# Altium PCB Thunderscope_Rev4.PCBDOC (part 6 of 7) (continued)
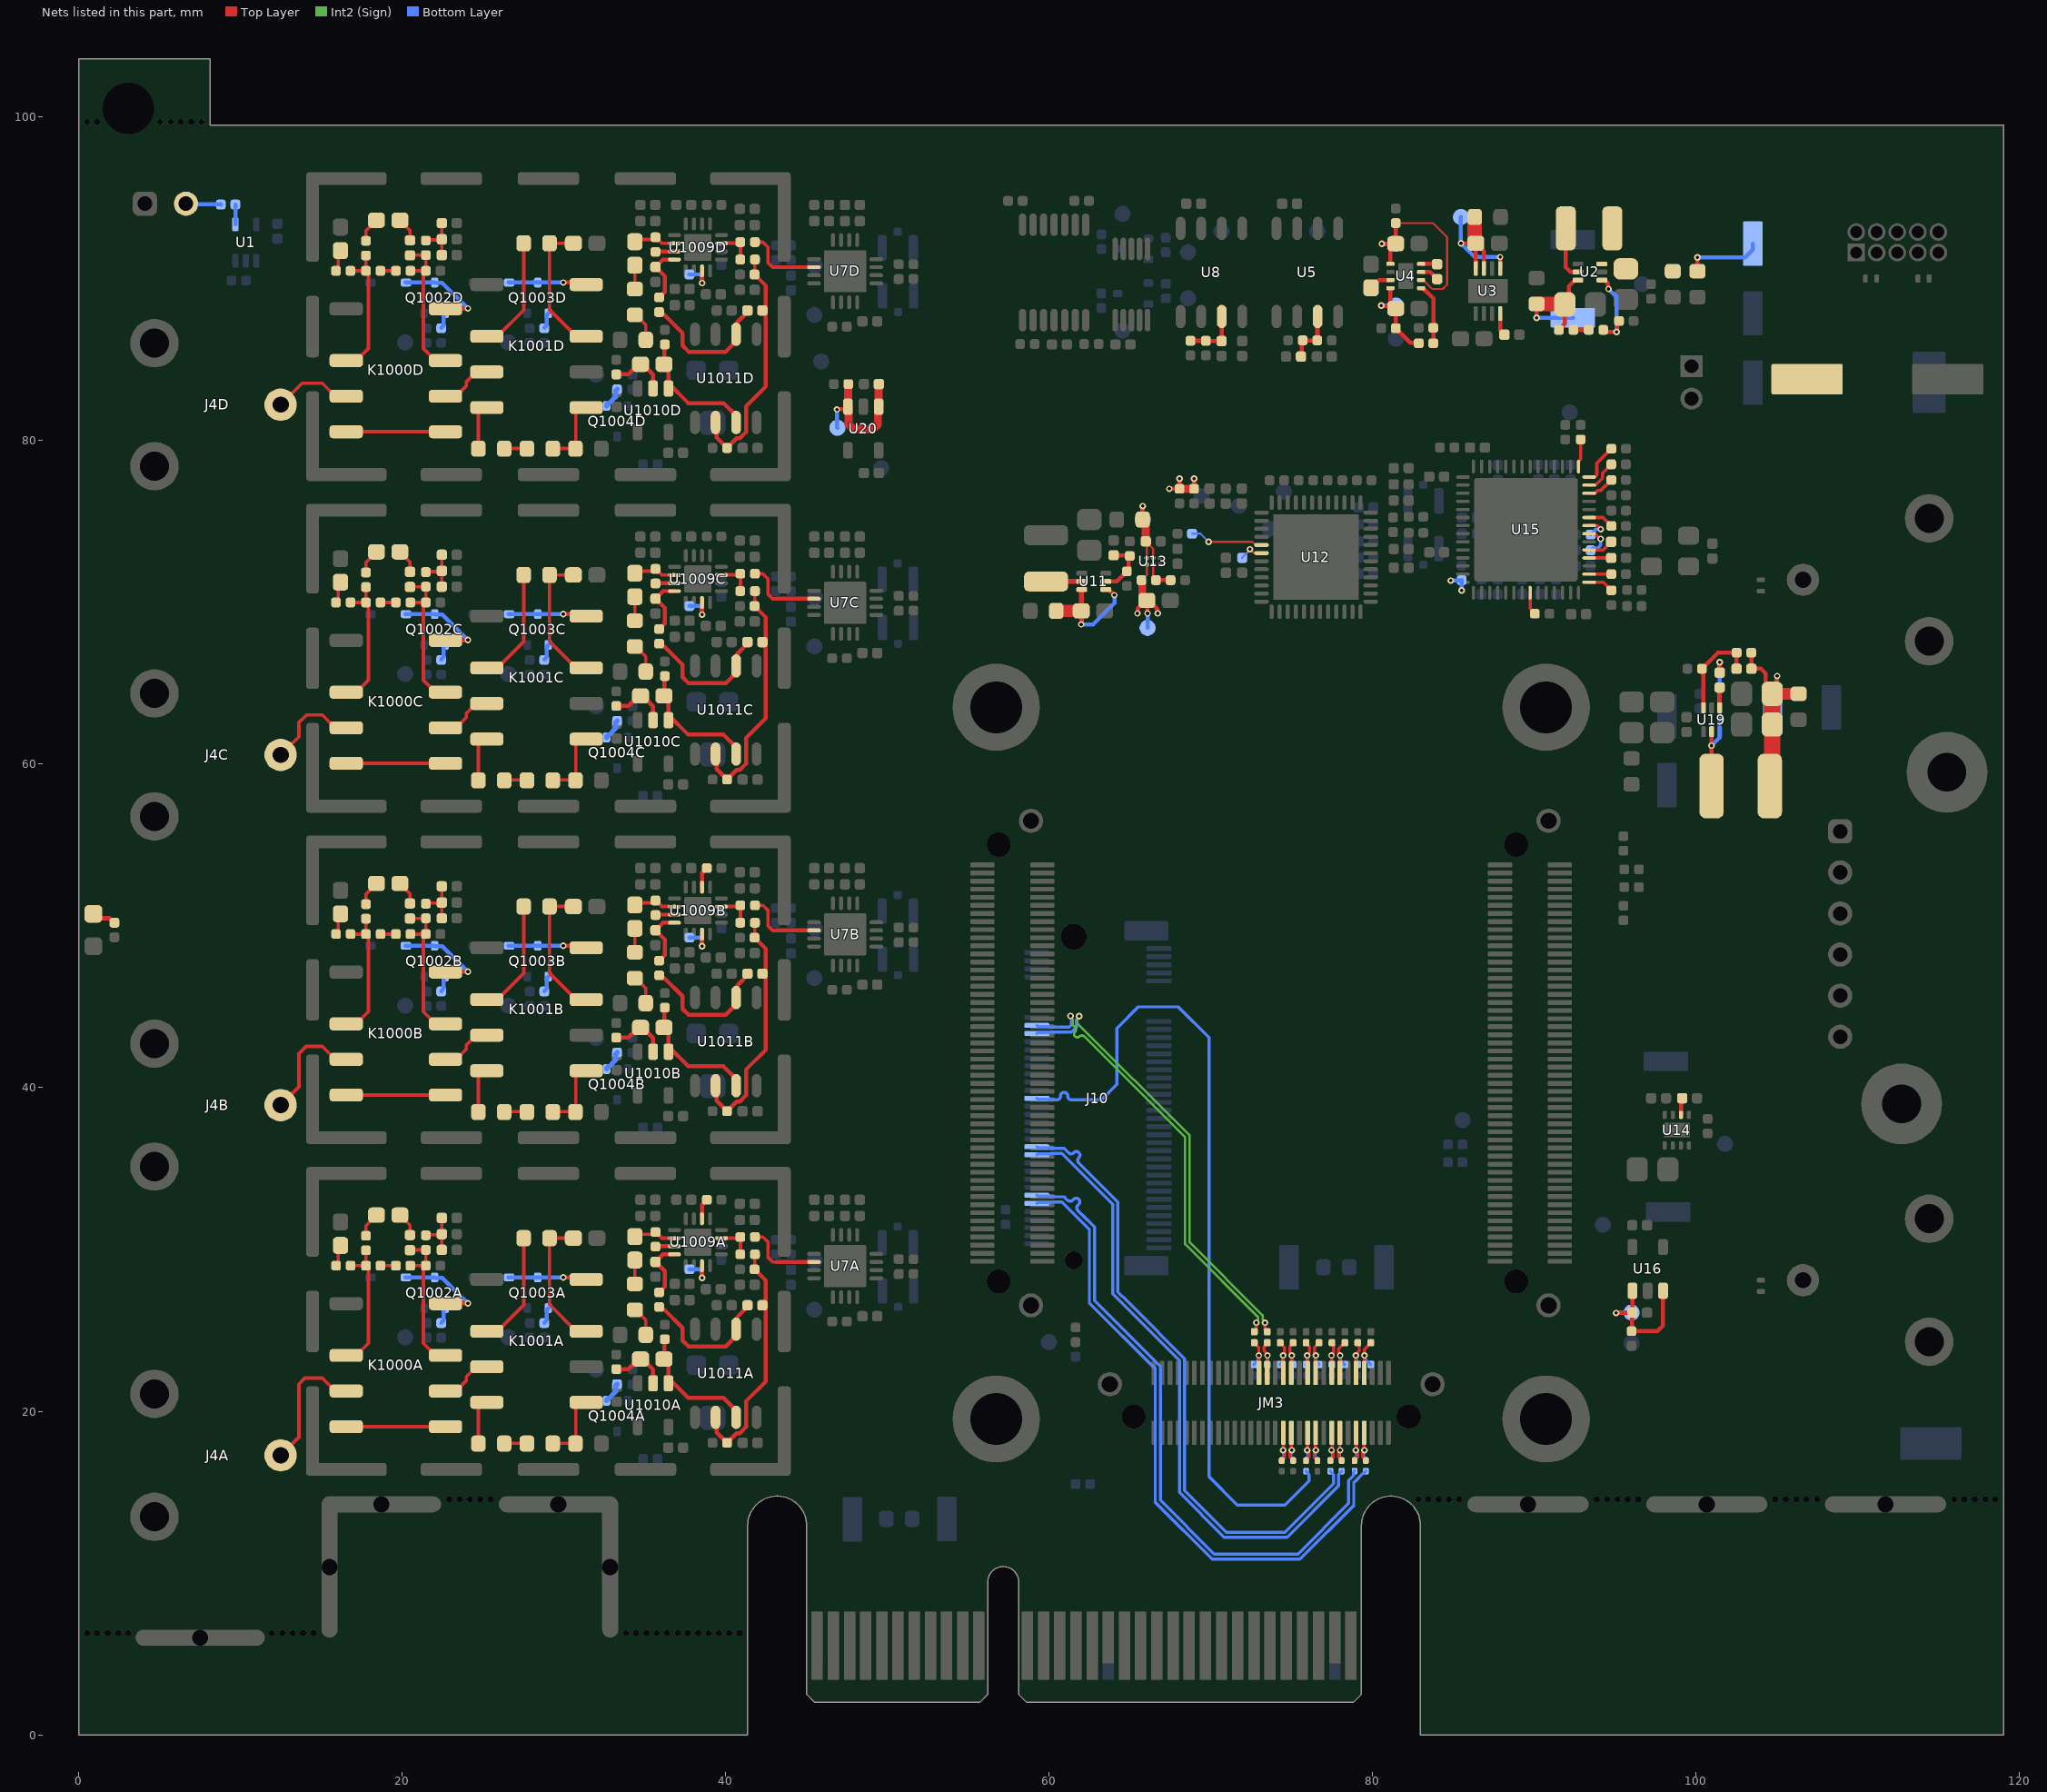
[diagram p10: the nets of this part, all layers, seen from the top]
## Nets (pads, with @x,y where several pads share a name; then routed paths per layer and width w, separated by ;. In a path a pad name is that pad's centre, name@x,y a point inside that pad or via, vN(x,y) a via of type N, cw(c..) or ccw(c..) an arc to the next point about the centre after c; other vN are vias at no path point) (continued)
  Top Layer w0.213: R1032A.1@21.45,30.875 21.487,30.912 22.402,30.912 C1026A.2@22.44,30.95 ; C1026A.2@22.415,30.925 C1026A.2@22.44,30.95 ; C1025A.2@22.44,29.975 C1026A.2@22.44,30.95 ; C1027A.2@22.44,31.95 C1026A.2@22.44,30.95
NetC1025B_2: C1025B.2 C1026B.2 C1027B.2 R1032B.1 | length 3
  Top Layer w0.213: R1032B.1@21.45,51.375 21.487,51.412 22.402,51.412 C1026B.2@22.44,51.45 ; C1026B.2@22.415,51.425 C1026B.2@22.44,51.45 ; C1025B.2@22.44,50.475 C1026B.2@22.44,51.45 ; C1027B.2@22.44,52.45 C1026B.2@22.44,51.45
NetC1025C_2: C1025C.2 C1026C.2 C1027C.2 R1032C.1 | length 3
  Top Layer w0.213: R1032C.1@21.45,71.875 21.487,71.912 22.402,71.912 C1026C.2@22.44,71.95 ; C1026C.2@22.415,71.925 C1026C.2@22.44,71.95 ; C1025C.2@22.44,70.975 C1026C.2@22.44,71.95 ; C1027C.2@22.44,72.95 C1026C.2@22.44,71.95
NetC1025D_2: C1025D.2 C1026D.2 C1027D.2 R1032D.1 | length 3
  Top Layer w0.213: R1032D.1@21.45,92.375 21.487,92.412 22.402,92.412 C1026D.2@22.44,92.45 ; C1025D.2@22.44,91.475 C1026D.2@22.44,92.45 ; C1027D.2@22.44,93.45 C1026D.2@22.44,92.45
NetC1028A_1: C1028A.1 R1048A.2 U1009A.2 | length 2.8
  Top Layer w0.213: C1028A.1@34.375,30.911 C1028A.1@34.375,30.8 34.513,30.938 35.512,30.938 R1048A.2@35.65,31.075 35.664,31.075 36.039,30.7 U1009A.2@36.825,30.7
NetC1028A_2: C1028A.2 R1045A.2 | length 1.5
  Top Layer w0.213: R1045A.2@34.375,27.875 C1028A.2@34.375,29.35
NetC1028B_1: C1028B.1 R1048B.2 U1009B.2 | length 2.8
  Top Layer w0.213: C1028B.1@34.375,51.411 C1028B.1@34.375,51.3 34.513,51.438 35.512,51.438 R1048B.2@35.65,51.575 35.664,51.575 36.039,51.2 U1009B.2@36.825,51.2
NetC1028B_2: C1028B.2 R1045B.2 | length 1.5
  Top Layer w0.213: R1045B.2@34.375,48.375 C1028B.2@34.375,49.85
NetC1028C_1: C1028C.1 R1048C.2 U1009C.2 | length 2.8
  Top Layer w0.213: C1028C.1@34.375,71.911 C1028C.1@34.375,71.8 34.513,71.938 35.512,71.938 R1048C.2@35.65,72.075 35.664,72.075 36.039,71.7 U1009C.2@36.825,71.7
NetC1028C_2: C1028C.2 R1045C.2 | length 1.5
  Top Layer w0.213: R1045C.2@34.375,68.875 C1028C.2@34.375,70.35
NetC1028D_1: C1028D.1 R1048D.2 U1009D.2 | length 2.8
  Top Layer w0.213: C1028D.1@34.375,92.411 C1028D.1@34.375,92.3 34.513,92.438 35.512,92.438 R1048D.2@35.65,92.575 35.664,92.575 36.039,92.2 U1009D.2@36.825,92.2
NetC1028D_2: C1028D.2 R1045D.2 | length 1.5
  Top Layer w0.213: R1045D.2@34.375,89.375 C1028D.2@34.375,90.85
NetC1029A_1: C1029A.1 R1049A.1 U1010A.2 | length 3.6
  Top Layer w0.254: R1049A.1@33.225,22.6 33.975,22.6 34.32,22.945 34.335,22.945 34.725,23.335 34.725,23.35 35.493,22.582 35.493,21.857 U1010A.2@35.5,21.85
NetC1029A_2: C1029A.2 R1056A.2 U1010A.1 U1011A.3 | length 7.9
  Top Layer w0.25: 38.5,20.825 39.86,20.825 40.635,20.05 U1011A.3@40.635,19.625
  Top Layer w0.254: C1029A.2@36.175,23.225 36.2,23.25 36.2,24.425 R1056A.2@36.225,24.45 ; U1010A.1@36.45,21.85 36.45,22.05 37.675,20.825 38.5,20.825 ; U1010A.1@36.45,22.062 C1029A.2@36.45,23.075
NetC1029B_1: C1029B.1 R1049B.1 U1010B.2 | length 3.6
  Top Layer w0.254: R1049B.1@33.225,43.1 33.975,43.1 34.32,43.445 34.335,43.445 34.725,43.835 34.725,43.85 35.493,43.082 35.493,42.357 U1010B.2@35.5,42.35
NetC1029B_2: C1029B.2 R1056B.2 U1010B.1 U1011B.3 | length 7.9
  Top Layer w0.25: 38.5,41.325 39.86,41.325 40.635,40.55 U1011B.3@40.635,40.125
  Top Layer w0.254: C1029B.2@36.175,43.725 36.2,43.75 36.2,44.925 R1056B.2@36.225,44.95 ; U1010B.1@36.45,42.35 36.45,42.55 37.675,41.325 38.5,41.325 ; U1010B.1@36.45,42.562 C1029B.2@36.45,43.575
NetC1029C_1: C1029C.1 R1049C.1 U1010C.2 | length 3.6
  Top Layer w0.254: R1049C.1@33.225,63.6 33.975,63.6 34.32,63.945 34.335,63.945 34.725,64.335 34.725,64.35 35.493,63.582 35.493,62.857 U1010C.2@35.5,62.85
NetC1029C_2: C1029C.2 R1056C.2 U1010C.1 U1011C.3 | length 7.9
  Top Layer w0.25: 38.5,61.825 39.86,61.825 40.635,61.05 U1011C.3@40.635,60.625
  Top Layer w0.254: C1029C.2@36.175,64.225 36.2,64.25 36.2,65.425 R1056C.2@36.225,65.45 ; U1010C.1@36.45,62.85 36.45,63.05 37.675,61.825 38.5,61.825 ; U1010C.1@36.45,63.062 C1029C.2@36.45,64.075
NetC1029D_1: C1029D.1 R1049D.1 U1010D.2 | length 3.6
  Top Layer w0.254: R1049D.1@33.225,84.1 33.975,84.1 34.32,84.445 34.335,84.445 34.725,84.835 34.725,84.85 35.493,84.082 35.493,83.357 U1010D.2@35.5,83.35
NetC1029D_2: C1029D.2 R1056D.2 U1010D.1 U1011D.3 | length 7.9
  Top Layer w0.25: 38.5,82.325 39.86,82.325 40.635,81.55 U1011D.3@40.635,81.125
  Top Layer w0.254: C1029D.2@36.175,84.725 36.2,84.75 36.2,85.925 R1056D.2@36.225,85.95 ; U1010D.1@36.45,83.35 36.45,83.55 37.675,82.325 38.5,82.325 ; U1010D.1@36.45,83.562 C1029D.2@36.45,84.575
NetC1031A_2: C1031A.2 R1052A.1 U1009A.4 | length 3.6
  Top Layer w0.25: R1052A.1@35.875,27.35 36.225,27.7 36.225,28.66 C1031A.2@35.65,29.235 35.656,29.235 36.121,29.7 U1009A.4@36.825,29.7
NetC1031B_2: C1031B.2 R1052B.1 U1009B.4 | length 3.6
  Top Layer w0.25: R1052B.1@35.875,47.85 36.225,48.2 36.225,49.16 C1031B.2@35.65,49.735 35.656,49.735 36.121,50.2 U1009B.4@36.825,50.2
NetC1031C_2: C1031C.2 R1052C.1 U1009C.4 | length 3.6
  Top Layer w0.25: R1052C.1@35.875,68.35 36.225,68.7 36.225,69.66 C1031C.2@35.65,70.235 35.656,70.235 36.121,70.7 U1009C.4@36.825,70.7
NetC1031D_2: C1031D.2 R1052D.1 U1009D.4 | length 3.6
  Top Layer w0.25: R1052D.1@35.875,88.85 36.225,89.2 36.225,90.16 C1031D.2@35.65,90.735 35.656,90.735 36.121,91.2 U1009D.4@36.825,91.2
NetC1032A_1: C1032A.1 R1052A.2 U1011A.6 | length 8.7
  Top Layer w0.254: R1052A.2@35.875,26.45 36.034,26.291 36.184,26.291 37.325,25.15 37.325,24.375 37.7,24 39.985,24 40.701,24.716 40.701,25.811 C1032A.1@41.44,26.55
NetC1032A_2: C1032A.2 R1050A.1 R1051A.2 R1055A.2 U1011A.2 | length 15.4
  Top Layer w0.213: R1051A.2@41.788,28.788 R1050A.1@41.788,29.688
  Top Layer w0.25: R1051A.2@41.775,28.775 42.475,28.075 C1032A.2@42.475,26.765 ; C1032A.2@42.26,26.55 C1032A.2@42.475,26.765 ; 42.475,26.1 C1032A.2@42.475,26.765
  Top Layer w0.254: U1011A.2@39.365,19.625 39.431,19.559 39.431,18.694 R1055A.2@40.075,18.05 40.671,18.646 40.864,18.646 41.245,19.026 41.245,20.62 42.475,21.85 42.475,26.1 ; C1032A.2@42.459,26.451 C1032A.2@42.459,26.649
NetC1032B_1: C1032B.1 R1052B.2 U1011B.6 | length 8.7
  Top Layer w0.254: R1052B.2@35.875,46.95 36.034,46.791 36.184,46.791 37.325,45.65 37.325,44.875 37.7,44.5 39.985,44.5 40.701,45.216 40.701,46.311 C1032B.1@41.44,47.05
NetC1032B_2: C1032B.2 R1050B.1 R1051B.2 R1055B.2 U1011B.2 | length 15.4
  Top Layer w0.213: R1051B.2@41.788,49.288 R1050B.1@41.788,50.188
  Top Layer w0.25: R1051B.2@41.775,49.275 42.475,48.575 C1032B.2@42.475,47.265 ; C1032B.2@42.26,47.05 C1032B.2@42.475,47.265 ; 42.475,46.6 C1032B.2@42.475,47.265
  Top Layer w0.254: U1011B.2@39.365,40.125 39.431,40.059 39.431,39.194 R1055B.2@40.075,38.55 40.671,39.146 40.864,39.146 41.245,39.526 41.245,41.12 42.475,42.35 42.475,46.6 ; C1032B.2@42.459,46.951 C1032B.2@42.459,47.149
NetC1032C_1: C1032C.1 R1052C.2 U1011C.6 | length 8.7
  Top Layer w0.254: R1052C.2@35.875,67.45 36.034,67.291 36.184,67.291 37.325,66.15 37.325,65.375 37.7,65 39.985,65 40.701,65.716 40.701,66.811 C1032C.1@41.44,67.55
NetC1032C_2: C1032C.2 R1050C.1 R1051C.2 R1055C.2 U1011C.2 | length 15.4
  Top Layer w0.213: R1051C.2@41.788,69.788 R1050C.1@41.788,70.688
  Top Layer w0.25: R1051C.2@41.775,69.775 42.475,69.075 C1032C.2@42.475,67.765 ; C1032C.2@42.26,67.55 C1032C.2@42.475,67.765 ; 42.475,67.1 C1032C.2@42.475,67.765
  Top Layer w0.254: U1011C.2@39.365,60.625 39.431,60.559 39.431,59.694 R1055C.2@40.075,59.05 40.671,59.646 40.864,59.646 41.245,60.026 41.245,61.62 42.475,62.85 42.475,67.1 ; C1032C.2@42.459,67.451 C1032C.2@42.459,67.649
NetC1032D_1: C1032D.1 R1052D.2 U1011D.6 | length 8.7
  Top Layer w0.254: R1052D.2@35.875,87.95 36.034,87.791 36.184,87.791 37.325,86.65 37.325,85.875 37.7,85.5 39.985,85.5 40.701,86.216 40.701,87.311 C1032D.1@41.44,88.05
NetC1032D_2: C1032D.2 R1050D.1 R1051D.2 R1055D.2 U1011D.2 | length 15.4
  Top Layer w0.213: R1051D.2@41.775,90.275 41.788,90.288 41.788,91.188 R1050D.1@41.8,91.2
  Top Layer w0.25: R1051D.2@41.775,90.275 42.475,89.575 C1032D.2@42.475,88.265 ; C1032D.2@42.26,88.05 C1032D.2@42.475,88.265 ; 42.475,87.6 C1032D.2@42.475,88.265
  Top Layer w0.254: U1011D.2@39.365,81.125 39.431,81.059 39.431,80.194 R1055D.2@40.075,79.55 40.671,80.146 40.864,80.146 41.245,80.526 41.245,82.12 42.475,83.35 42.475,87.6 ; C1032D.2@42.459,87.951 C1032D.2@42.459,88.149
NetD1_2: D1.2 R67.1 | length 1.4
  Top Layer w0.254: D1.2@0.9,50.5 0.925,50.475 1.912,50.475 2.188,50.2 R67.1@2.2,50.2
NetD1000A_2: D1000A.2 K1000A.8 Q1002A.1 | length 5.9
  Top Layer w0.254: K1000A.8@22.67,26.65 22.682,26.662 24.037,26.662 v1(24.05,26.675)
  Bottom Layer w0.254: D1000A.2@20.18,28.275 Q1002A.1@22,28.275 22.031,28.244 22.466,28.244 24.035,26.675 v1(24.05,26.675)
NetD1000B_2: D1000B.2 K1000B.8 Q1002B.1 | length 5.9
  Top Layer w0.254: K1000B.8@22.67,47.15 22.682,47.162 24.037,47.162 v1(24.05,47.175)
  Bottom Layer w0.254: D1000B.2@20.18,48.775 Q1002B.1@22,48.775 22.031,48.744 22.466,48.744 24.035,47.175 v1(24.05,47.175)
NetD1000C_2: D1000C.2 K1000C.8 Q1002C.1 | length 5.9
  Top Layer w0.254: K1000C.8@22.67,67.65 22.682,67.662 24.037,67.662 v1(24.05,67.675)
  Bottom Layer w0.254: D1000C.2@20.18,69.275 Q1002C.1@22,69.275 22.031,69.244 22.466,69.244 24.035,67.675 v1(24.05,67.675)
NetD1000D_2: D1000D.2 K1000D.8 Q1002D.1 | length 5.9
  Top Layer w0.254: K1000D.8@22.67,88.15 22.682,88.162 24.037,88.162 v1(24.05,88.175)
  Bottom Layer w0.254: D1000D.2@20.18,89.775 Q1002D.1@22,89.775 22.031,89.744 22.466,89.744 24.035,88.175 v1(24.05,88.175)
NetD1001A_2: D1001A.2 K1001A.8 Q1003A.1 | length 4.8
  Top Layer w0.254: v1(29.95,28.275) K1001A.8@31.37,28.275
  Bottom Layer w0.254: D1001A.2@26.555,28.275 Q1003A.1@28.375,28.275 v1(29.95,28.275)
NetD1001B_2: D1001B.2 K1001B.8 Q1003B.1 | length 4.8
  Top Layer w0.254: v1(29.95,48.775) K1001B.8@31.37,48.775
  Bottom Layer w0.254: D1001B.2@26.555,48.775 Q1003B.1@28.375,48.775 v1(29.95,48.775)
NetD1001C_2: D1001C.2 K1001C.8 Q1003C.1 | length 4.8
  Top Layer w0.254: v1(29.95,69.275) K1001C.8@31.37,69.275
  Bottom Layer w0.254: D1001C.2@26.555,69.275 Q1003C.1@28.375,69.275 v1(29.95,69.275)
NetD1001D_2: D1001D.2 K1001D.8 Q1003D.1 | length 4.8
  Top Layer w0.254: v1(29.95,89.775) K1001D.8@31.37,89.775
  Bottom Layer w0.254: D1001D.2@26.555,89.775 Q1003D.1@28.375,89.775 v1(29.95,89.775)
NetJ1_2: J1.2 R1.1 | length 2.2
  Top Layer w0.254: J1.2@6.62,94.5 J1.2@6.623,94.497
  Bottom Layer w0.254: J1.2@6.628,94.602 8.772,94.602 R1.1@8.775,94.6
NetJ4A_1: J4A.1 K1000A.3 | length 8.3
  Top Layer w0.213: J4A.1@12.475,17.275 13.6,18.4 13.6,21.675 13.975,22.05 15.049,22.05 15.849,21.25 K1000A.3@16.53,21.25
NetJ4B_1: J4B.1 K1000B.3 | length 7.1
  Top Layer w0.213: J4B.1@12.475,38.925 13.6,40.05 13.6,42.1 14.05,42.55 15.049,42.55 15.849,41.75 K1000B.3@16.53,41.75
NetJ4C_1: J4C.1 K1000C.3 | length 5.9
  Top Layer w0.213: J4C.1@12.475,60.575 13.6,61.7 13.6,62.575 14.075,63.05 15.049,63.05 15.849,62.25 K1000C.3@16.53,62.25
NetJ4D_1: J4D.1 K1000D.3 | length 4.9
  Top Layer w0.213: J4D.1@12.475,82.225 13.8,83.55 15.049,83.55 15.849,82.75 K1000D.3@16.53,82.75
NetK1000A_2: K1000A.2 R1028A.1 R1030A.2 R1036A.1 | length 7.8
  Top Layer w0.213: R1030A.2@16.8,29 R1028A.1@17.75,29 ; K1000A.2@17.15,23.45 17.9,24.2 17.9,28.85 R1028A.1@17.75,29 ; R1036A.1@17.75,29.95 R1028A.1@17.75,29
NetK1000A_4: K1000A.4 K1000A.5 | length 6.1
  Top Layer w0.213: K1000A.4@16.53,19.05 K1000A.5@22.67,19.05
NetK1000A_6: K1000A.6 K1001A.3 | length 4
  Top Layer w0.213: K1000A.6@22.67,21.25 23.325,21.25 23.95,21.875 23.95,22.125 24.393,22.568 25.043,22.568 K1001A.3@25.225,22.75 ; K1001A.3@25.23,22.875 K1001A.3@25.86,22.875
NetK1000A_7: K1000A.7 R1029A.2 R1031A.2 R1032A.2 R1037A.2 | length 9
  Top Layer w0.213: R1037A.2@20.482,29.967 R1032A.2@21.442,29.967 ; R1029A.2@20.562,29.062 R1029A.2@20.5,29 R1031A.2@21.45,29 ; R1032A.2@21.387,29.912 R1032A.2@21.442,29.967 ; K1000A.7@22.05,23.45 21.3,24.2 21.3,28.85 R1031A.2@21.45,29 ; R1032A.2@21.442,29.967 R1032A.2@21.45,29.975 R1031A.2@21.45,29
NetK1000B_2: K1000B.2 R1028B.1 R1030B.2 R1036B.1 | length 7.8
  Top Layer w0.213: R1030B.2@16.8,49.5 R1028B.1@17.75,49.5 ; K1000B.2@17.15,43.95 17.9,44.7 17.9,49.35 R1028B.1@17.75,49.5 ; R1036B.1@17.75,50.45 R1028B.1@17.75,49.5
NetK1000B_4: K1000B.4 K1000B.5 | length 6.1
  Top Layer w0.213: K1000B.4@16.53,39.55 K1000B.5@22.67,39.55
NetK1000B_6: K1000B.6 K1001B.3 | length 4
  Top Layer w0.213: K1000B.6@22.67,41.75 23.325,41.75 23.95,42.375 23.95,42.625 24.393,43.068 25.043,43.068 K1001B.3@25.225,43.25 ; K1001B.3@25.23,43.375 K1001B.3@25.86,43.375
NetK1000B_7: K1000B.7 R1029B.2 R1031B.2 R1032B.2 R1037B.2 | length 9
  Top Layer w0.213: R1037B.2@20.482,50.467 R1032B.2@21.442,50.467 ; R1029B.2@20.562,49.562 R1029B.2@20.5,49.5 R1031B.2@21.45,49.5 ; R1032B.2@21.387,50.412 R1032B.2@21.442,50.467 ; K1000B.7@22.05,43.95 21.3,44.7 21.3,49.35 R1031B.2@21.45,49.5 ; R1032B.2@21.442,50.467 R1032B.2@21.45,50.475 R1031B.2@21.45,49.5
NetK1000C_2: K1000C.2 R1028C.1 R1030C.2 R1036C.1 | length 7.8
  Top Layer w0.213: R1030C.2@16.8,70 R1028C.1@17.75,70 ; K1000C.2@17.15,64.45 17.9,65.2 17.9,69.85 R1028C.1@17.75,70 ; R1036C.1@17.75,70.95 R1028C.1@17.75,70
NetK1000C_4: K1000C.4 K1000C.5 | length 6.1
  Top Layer w0.213: K1000C.4@16.53,60.05 K1000C.5@22.67,60.05
NetK1000C_6: K1000C.6 K1001C.3 | length 4
  Top Layer w0.213: K1000C.6@22.67,62.25 23.325,62.25 23.95,62.875 23.95,63.125 24.393,63.568 25.043,63.568 K1001C.3@25.225,63.75 ; K1001C.3@25.23,63.875 K1001C.3@25.86,63.875
NetK1000C_7: K1000C.7 R1029C.2 R1031C.2 R1032C.2 R1037C.2 | length 9
  Top Layer w0.213: R1037C.2@20.482,70.967 R1032C.2@21.442,70.967 ; R1029C.2@20.562,70.063 R1029C.2@20.5,70 R1031C.2@21.45,70 ; R1032C.2@21.387,70.912 R1032C.2@21.442,70.967 ; K1000C.7@22.05,64.45 21.3,65.2 21.3,69.85 R1031C.2@21.45,70 ; R1032C.2@21.442,70.967 R1032C.2@21.45,70.975 R1031C.2@21.45,70
NetK1000D_2: K1000D.2 R1028D.1 R1030D.2 R1036D.1 | length 8.4
  Top Layer w0.213: K1000D.2@16.53,84.95 17.15,84.95 17.9,85.7 17.9,90.35 R1028D.1@17.75,90.5 ; R1030D.2@16.8,90.5 R1028D.1@17.75,90.5 ; R1036D.1@17.75,91.45 R1028D.1@17.75,90.5
NetK1000D_4: K1000D.4 K1000D.5 | length 6.1
  Top Layer w0.213: K1000D.4@16.53,80.55 K1000D.5@22.67,80.55
NetK1000D_6: K1000D.6 K1001D.3 | length 4
  Top Layer w0.213: K1000D.6@22.67,82.75 23.325,82.75 23.95,83.375 23.95,83.625 24.393,84.068 25.043,84.068 K1001D.3@25.225,84.25 ; K1001D.3@25.23,84.375 K1001D.3@25.86,84.375
NetK1000D_7: K1000D.7 R1029D.2 R1031D.2 R1032D.2 R1037D.2 | length 9.6
  Top Layer w0.213: R1037D.2@20.482,91.467 R1032D.2@21.442,91.467 ; R1029D.2@20.562,90.563 R1029D.2@20.5,90.5 R1031D.2@21.45,90.5 ; R1032D.2@21.387,91.412 R1032D.2@21.442,91.467 ; K1000D.7@22.67,84.95 22.05,84.95 21.3,85.7 21.3,90.35 R1031D.2@21.45,90.5 ; R1032D.2@21.442,91.467 R1032D.2@21.45,91.475 R1031D.2@21.45,90.5
NetK1001A_2: K1001A.2 R1027A.1 | length 7.1
  Top Layer w0.213: K1001A.2@25.225,24.95 25.875,24.95 27.5,26.575 R1027A.1@27.5,30.7
NetK1001A_4: K1001A.4 R1026A.1 | length 3
  Top Layer w0.213: R1026A.1@24.7,18 K1001A.4@24.7,20.314 ; K1001A.4@24.7,20.389 24.986,20.675 K1001A.4@25.23,20.675
NetK1001A_5: K1001A.5 R1025A.2 R1035A.2 | length 4.5
  Top Layer w0.213: R1025A.2@29.3,18.025 R1035A.2@30.7,18.025 ; R1035A.2@30.725,18 K1001A.5@30.725,20.314 ; K1001A.5@30.725,20.389 31.011,20.675 K1001A.5@31.37,20.675
NetK1001B_2: K1001B.2 R1027B.1 | length 7.1
  Top Layer w0.213: K1001B.2@25.225,45.45 25.875,45.45 27.5,47.075 R1027B.1@27.5,51.2
NetK1001B_4: K1001B.4 R1026B.1 | length 3
  Top Layer w0.213: R1026B.1@24.7,38.5 K1001B.4@24.7,40.814 ; K1001B.4@24.7,40.889 24.986,41.175 K1001B.4@25.23,41.175
NetK1001B_5: K1001B.5 R1025B.2 R1035B.2 | length 4.5
  Top Layer w0.213: R1025B.2@29.3,38.525 R1035B.2@30.7,38.525 ; R1035B.2@30.725,38.5 K1001B.5@30.725,40.814 ; K1001B.5@30.725,40.889 31.011,41.175 K1001B.5@31.37,41.175
NetK1001C_2: K1001C.2 R1027C.1 | length 7.1
  Top Layer w0.213: K1001C.2@25.225,65.95 25.875,65.95 27.5,67.575 R1027C.1@27.5,71.7
NetK1001C_4: K1001C.4 R1026C.1 | length 3
  Top Layer w0.213: R1026C.1@24.7,59 K1001C.4@24.7,61.314 ; K1001C.4@24.7,61.389 24.986,61.675 K1001C.4@25.23,61.675
NetK1001C_5: K1001C.5 R1025C.2 R1035C.2 | length 4.5
  Top Layer w0.213: R1025C.2@29.3,59.025 R1035C.2@30.7,59.025 ; R1035C.2@30.725,59 K1001C.5@30.725,61.314 ; K1001C.5@30.725,61.389 31.011,61.675 K1001C.5@31.37,61.675
NetK1001D_2: K1001D.2 R1027D.1 | length 7.1
  Top Layer w0.213: K1001D.2@25.225,86.45 25.875,86.45 27.5,88.075 R1027D.1@27.5,92.2
NetK1001D_4: K1001D.4 R1026D.1 | length 3
  Top Layer w0.213: R1026D.1@24.7,79.5 K1001D.4@24.7,81.814 ; K1001D.4@24.7,81.889 24.986,82.175 K1001D.4@25.23,82.175
NetK1001D_5: K1001D.5 R1025D.2 R1035D.2 | length 4.5
  Top Layer w0.213: R1025D.2@29.3,79.525 R1035D.2@30.7,79.525 ; R1035D.2@30.725,79.5 K1001D.5@30.725,81.814 ; K1001D.5@30.725,81.889 31.011,82.175 K1001D.5@31.37,82.175
NetL1_2: L1.2 U2.5 | length 3.3
  Top Layer w0.254: L1.2@91.94,93.125 91.94,90.71 92.219,90.431 92.679,90.431 U2.5@92.685,90.425
NetL2_1: L2.1 U11.2 | length 2.2
  Top Layer w0.254: L2.1@59.8,71.29 L2.1@59.805,71.295
  Top Layer w0.3: L2.1@59.81,71.3 U11.2@62.01,71.3
NetQ1002A_2: Q1002A.2 R1038A.1 | length 1
  Bottom Layer w0.254: R1038A.1@22.4,25.475 22.55,25.625 22.55,26.275 Q1002A.2@22.65,26.375
NetQ1002B_2: Q1002B.2 R1038B.1 | length 1
  Bottom Layer w0.254: R1038B.1@22.4,45.975 22.55,46.125 22.55,46.775 Q1002B.2@22.65,46.875
NetQ1002C_2: Q1002C.2 R1038C.1 | length 1
  Bottom Layer w0.254: R1038C.1@22.4,66.475 22.55,66.625 22.55,67.275 Q1002C.2@22.65,67.375
NetQ1002D_2: Q1002D.2 R1038D.1 | length 1
  Bottom Layer w0.254: R1038D.1@22.4,86.975 22.55,87.125 22.55,87.775 Q1002D.2@22.65,87.875
NetQ1003A_2: Q1003A.2 R1039A.1 | length 1
  Bottom Layer w0.254: R1039A.1@28.775,25.475 28.925,25.625 28.925,26.275 Q1003A.2@29.025,26.375
NetQ1003B_2: Q1003B.2 R1039B.1 | length 1
  Bottom Layer w0.254: R1039B.1@28.775,45.975 28.925,46.125 28.925,46.775 Q1003B.2@29.025,46.875
NetQ1003C_2: Q1003C.2 R1039C.1 | length 1
  Bottom Layer w0.254: R1039C.1@28.775,66.475 28.925,66.625 28.925,67.275 Q1003C.2@29.025,67.375
NetQ1003D_2: Q1003D.2 R1039D.1 | length 1
  Bottom Layer w0.254: R1039D.1@28.775,86.975 28.925,87.125 28.925,87.775 Q1003D.2@29.025,87.875
NetQ1004A_2: Q1004A.2 R1061A.1 | length 1.3
  Bottom Layer w0.3: Q1004A.2@32.625,20.65 32.625,20.715 32.71,20.8 32.775,20.8 33.188,21.213 33.188,21.588 R1061A.1@33.275,21.675
NetQ1004B_2: Q1004B.2 R1061B.1 | length 1.3
  Bottom Layer w0.3: Q1004B.2@32.625,41.15 32.625,41.215 32.71,41.3 32.775,41.3 33.188,41.713 33.188,42.088 R1061B.1@33.275,42.175
NetQ1004C_2: Q1004C.2 R1061C.1 | length 1.3
  Bottom Layer w0.3: Q1004C.2@32.625,61.65 32.625,61.715 32.71,61.8 32.775,61.8 33.188,62.213 33.188,62.588 R1061C.1@33.275,62.675
NetQ1004D_2: Q1004D.2 R1061D.1 | length 1.3
  Bottom Layer w0.3: Q1004D.2@32.625,82.15 32.625,82.215 32.71,82.3 32.775,82.3 33.188,82.713 33.188,83.088 R1061D.1@33.275,83.175
NetR1_2: R1.2 U1.4 | length 1.2
  Bottom Layer w0.254: U1.4@9.675,93.375 R1.2@9.675,94.6
NetR10_1: R10.1 R12.2 | length 0.9
  Top Layer w0.254: R10.1@92.4,86.85 R12.2@93.35,86.85
NetR11_1: R11.1 R13.2 U4.5 | length 3.8
  Top Layer w0.254: U4.5@82.991,89.426 83.112,89.426 83.741,88.797 R13.2@83.741,86.976 R11.1@83.741,86.026
NetR12_1: R12.1 R105.2 U2.1 | length 5.3
  Top Layer w0.254: U2.1@94.165,89.925 94.35,89.925 94.546,89.729 94.546,89.404 v1(94.575,89.375) ; R12.1@94.25,86.85 94.38,86.72 v1(95.07,86.72) 95.07,87.245 R105.2@95.225,87.4
  Bottom Layer w0.254: v1(94.575,89.375) 95.07,88.88 v1(95.07,86.72)
NetR26_2: R26.2 U15.26 | length 1.7
  Top Layer w0.2: U15.26@93.375,76.75 93.742,76.75 93.922,76.93 94.105,76.93 R26.2@94.75,77.575
NetR27_2: R27.2 U15.27 | length 2.1
  Top Layer w0.2: U15.27@93.375,77.25 93.779,77.25 94.2,77.671 94.2,77.991 R27.2@94.745,78.536
NetR28_1: R28.1 U15.29 | length 1.7
  Top Layer w0.2: U15.29@92.725,78.4 92.725,78.725 92.86,78.86 92.86,80.065 R28.1@92.85,80.075
NetR33A_1: R33A.1 R1050A.2 U1009A.11 | length 2.3
  Top Layer w0.213: U1009A.11@39.725,30.7 39.732,30.707 40.832,30.707 R33A.1@40.9,30.775 R1050A.2@40.9,29.7
NetR33A_2: R33A.2 U7A.6 | length 7.2
  Top Layer w0.213: R33A.2@41.8,30.775 42.3,30.775 42.6,30.475 42.6,29.525 42.9,29.225 U7A.6@45.45,29.225
  Top Layer w0.25: 44.45,29.225 U7A.6@45.45,29.225
  Top Layer w0.254: 43.125,29.225 44.45,29.225
NetR33B_1: R33B.1 R1050B.2 U1009B.11 | length 2.3
  Top Layer w0.213: U1009B.11@39.725,51.2 39.732,51.207 40.832,51.207 R33B.1@40.9,51.275 R1050B.2@40.9,50.2
NetR33B_2: R33B.2 U7B.6 | length 7.2
  Top Layer w0.213: R33B.2@41.8,51.275 42.3,51.275 42.6,50.975 42.6,50.025 42.9,49.725 U7B.6@45.45,49.725
  Top Layer w0.25: 44.45,49.725 U7B.6@45.45,49.725
  Top Layer w0.254: 43.125,49.725 44.45,49.725
NetR33C_1: R33C.1 R1050C.2 U1009C.11 | length 2.3
  Top Layer w0.213: U1009C.11@39.725,71.7 39.732,71.707 40.832,71.707 R33C.1@40.9,71.775 R1050C.2@40.9,70.7
NetR33C_2: R33C.2 U7C.6 | length 7.2
  Top Layer w0.213: R33C.2@41.8,71.775 42.3,71.775 42.6,71.475 42.6,70.525 42.9,70.225 U7C.6@45.45,70.225
  Top Layer w0.25: 44.45,70.225 U7C.6@45.45,70.225
  Top Layer w0.254: 43.125,70.225 44.45,70.225
NetR33D_1: R33D.1 R1050D.2 U1009D.11 | length 2.3
  Top Layer w0.213: U1009D.11@39.725,92.2 39.732,92.207 40.832,92.207 R33D.1@40.9,92.275 R1050D.2@40.9,91.2
NetR33D_2: R33D.2 U7D.6 | length 4.8
  Top Layer w0.213: R33D.2@41.8,92.275 42.3,92.275 42.6,91.975 42.6,91.025 42.9,90.725 U7D.6@45.45,90.725
NetR44_1: R44.1 U12.5 | length 4.6
  Top Layer w0.127: v1(69.85,73.75) 72.56,73.75 72.76,73.55 U12.5@73.118,73.55
  Bottom Layer w0.127: R44.1@68.825,74.25 69.35,74.25 v1(69.85,73.75)
NetR46_1: R46.1 U12.6 | length 1.6
  Top Layer w0.127: v1(72.406,73.29) 72.406,73.284 72.62,73.07 73.098,73.07 U12.6@73.118,73.05
  Bottom Layer w0.127: R46.1@71.925,72.75 71.925,72.779 72.406,73.261 v1(72.406,73.29)
NetR59_1: R59.1 R61.2 U13.B1 | length 1.9
  Top Layer w0.127: U13.B1@66.425,72.35 66.425,71.55 R59.1@66.6,71.375
  Top Layer w0.254: R59.1@66.6,71.375 R61.2@67.5,71.375
NetR88_1: R88.1 U15.8 | length 1.4
  Top Layer w0.2: U15.8@89.725,70.6 89.725,69.647 90.025,69.347 R88.1@90.025,69.3
NetR92_2: R92.2 U15.28 | length 2.5
  Top Layer w0.2: U15.28@93.375,77.75 93.733,77.75 93.85,77.867 93.85,78.6 R92.2@94.75,79.5
NetR93_2: R93.2 U15.22 | length 1.6
  Top Layer w0.2: U15.22@93.375,74.75 93.875,74.75 v1(94.1,74.525)
  Bottom Layer w0.2: R93.2@93.475,74.2 93.794,74.519 94.094,74.519 v1(94.1,74.525)
NetR94_2: R94.2 U15.23 | length 1.6
  Top Layer w0.2: U15.23@93.375,75.25 94.225,75.25 R94.2@94.75,74.725
NetR111_2: R111.2 U15.21 | length 2
  Top Layer w0.2: U15.21@93.375,74.25 93.72,74.25 94.039,73.931 v1(94.09,73.931)
  Bottom Layer w0.2: R111.2@93.475,73.225 93.593,73.343 93.893,73.343 94.09,73.54 v1(94.09,73.931)
NetR1025A_1: R1025A.1 R1026A.2 | length 1.4
  Top Layer w0.213: R1026A.2@26.3,18.025 R1025A.1@27.7,18.025
NetR1025B_1: R1025B.1 R1026B.2 | length 1.4
  Top Layer w0.213: R1026B.2@26.3,38.525 R1025B.1@27.7,38.525
NetR1025C_1: R1025C.1 R1026C.2 | length 1.4
  Top Layer w0.213: R1026C.2@26.3,59.025 R1025C.1@27.7,59.025
NetR1025D_1: R1025D.1 R1026D.2 | length 1.4
  Top Layer w0.213: R1026D.2@26.3,79.525 R1025D.1@27.7,79.525
NetR1028A_2: R1028A.2 R1029A.1 | length 0.9
  Top Layer w0.213: R1028A.2@18.65,29 R1029A.1@19.6,29
NetR1028B_2: R1028B.2 R1029B.1 | length 0.9
  Top Layer w0.213: R1028B.2@18.65,49.5 R1029B.1@19.6,49.5
NetR1028C_2: R1028C.2 R1029C.1 | length 0.9
  Top Layer w0.213: R1028C.2@18.65,70 R1029C.1@19.6,70
NetR1028D_2: R1028D.2 R1029D.1 | length 0.9
  Top Layer w0.213: R1028D.2@18.65,90.5 R1029D.1@19.6,90.5
NetR1044A_2: R1044A.2 R1045A.1 | length 1.9
  Top Layer w0.213: R1045A.1@34.375,26.275 34.425,26.275 35.05,25.65 R1044A.2@35.05,24.725
NetR1044B_2: R1044B.2 R1045B.1 | length 1.9
  Top Layer w0.213: R1045B.1@34.375,46.775 34.425,46.775 35.05,46.15 R1044B.2@35.05,45.225
NetR1044C_2: R1044C.2 R1045C.1 | length 1.9
  Top Layer w0.213: R1045C.1@34.375,67.275 34.425,67.275 35.05,66.65 R1044C.2@35.05,65.725
NetR1044D_2: R1044D.2 R1045D.1 | length 1.9
  Top Layer w0.213: R1045D.1@34.375,87.775 34.425,87.775 35.05,87.15 R1044D.2@35.05,86.225
NetR1046A_1: R1046A.1 U1009A.7 | length 2
  Top Layer w0.127: U1009A.7@38.525,29 U1009A.7@38.528,28.997 ; v1@38.528,28.245 v1(38.53,28.242)
  Top Layer w0.25: v1@38.528,28.245 U1009A.7@38.528,28.997
  Bottom Layer w0.25: R1046A.1@37.75,28.775 38.384,28.775 38.53,28.629 v1(38.53,28.242)
NetR1046B_1: R1046B.1 U1009B.7 | length 2
  Top Layer w0.127: U1009B.7@38.525,49.5 U1009B.7@38.528,49.497 ; v1@38.528,48.745 v1(38.53,48.742)
  Top Layer w0.25: v1@38.528,48.745 U1009B.7@38.528,49.497
  Bottom Layer w0.25: R1046B.1@37.75,49.275 38.384,49.275 38.53,49.129 v1(38.53,48.742)
NetR1046C_1: R1046C.1 U1009C.7 | length 2
  Top Layer w0.127: U1009C.7@38.525,70 U1009C.7@38.528,69.997 ; v1@38.528,69.245 v1(38.53,69.242)
  Top Layer w0.25: v1@38.528,69.245 U1009C.7@38.528,69.997
  Bottom Layer w0.25: R1046C.1@37.75,69.775 38.384,69.775 38.53,69.629 v1(38.53,69.242)
NetR1046D_1: R1046D.1 U1009D.7 | length 2
  Top Layer w0.127: U1009D.7@38.525,90.5 U1009D.7@38.528,90.497 ; v1@38.528,89.745 v1(38.53,89.742)
  Top Layer w0.25: v1@38.528,89.745 U1009D.7@38.528,90.497
  Bottom Layer w0.25: R1046D.1@37.75,90.275 38.384,90.275 38.53,90.129 v1(38.53,89.742)
NetR1048A_1: R1048A.1 U1009A.3 | length 1.2
  Top Layer w0.25: R1048A.1@35.65,30.175 35.675,30.2 U1009A.3@36.825,30.2
NetR1048B_1: R1048B.1 U1009B.3 | length 1.2
  Top Layer w0.25: R1048B.1@35.65,50.675 35.675,50.7 U1009B.3@36.825,50.7
NetR1048C_1: R1048C.1 U1009C.3 | length 1.2
  Top Layer w0.25: R1048C.1@35.65,71.175 35.675,71.2 U1009C.3@36.825,71.2
NetR1048D_1: R1048D.1 U1009D.3 | length 1.2
  Top Layer w0.25: R1048D.1@35.65,91.675 35.675,91.7 U1009D.3@36.825,91.7
NetR1054A_2: R1054A.2 U1009A.14 | length 1.3
  Top Layer w0.254: U1009A.14@38.525,31.9 38.525,32.763 38.825,33.063 R1054A.2@38.825,33.075
NetR1054B_2: R1054B.2 U1009B.14 | length 1.3
  Top Layer w0.254: U1009B.14@38.525,52.4 38.525,53.263 38.825,53.563 R1054B.2@38.825,53.575